# KiCad board B3_panel.kicad_pcb (continued)
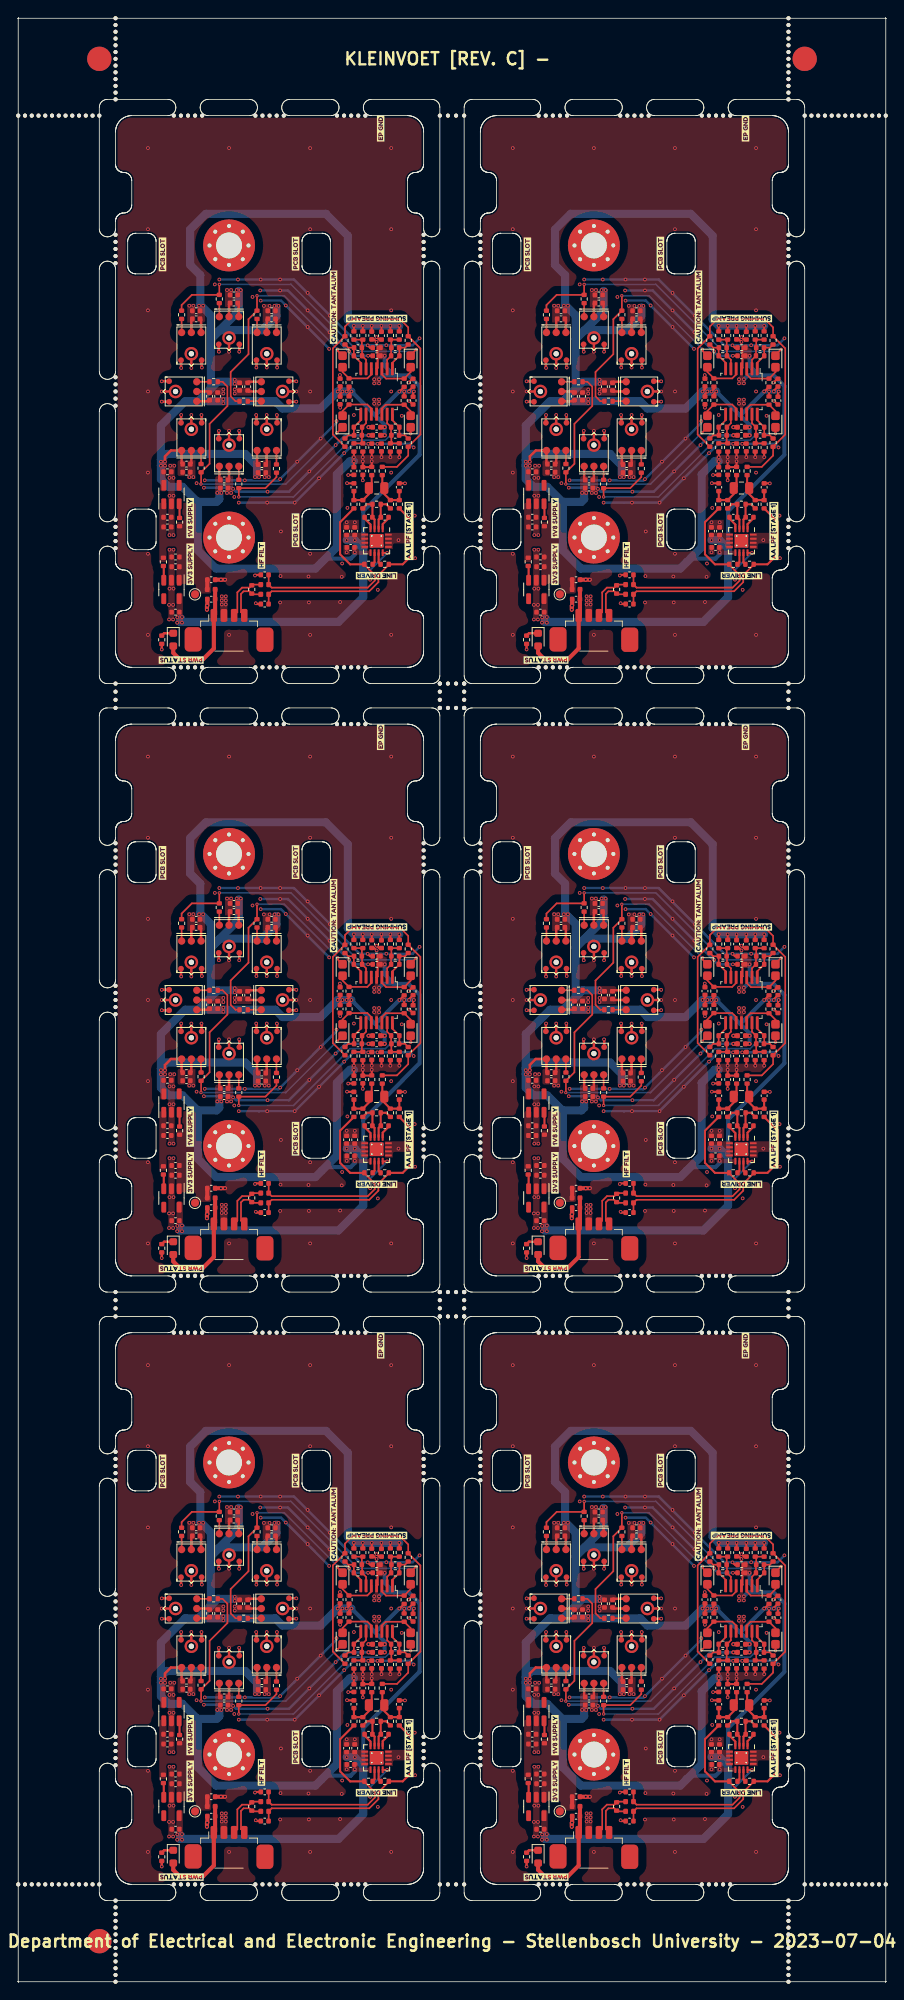
[diagram p0: board, top side]
## Placement (name value [footprint] x y rotation side) (continued)
J1101  Sensor_conn  [Connector_Amphenol_10114828-xxx04LF_Vertical]  26 164 0 top
J1101#2  Sensor_conn  [Connector_Amphenol_10114828-xxx04LF_Vertical]  26 89 0 top
J1101#3  Sensor_conn  [Connector_Amphenol_10114828-xxx04LF_Vertical]  26 14 0 top
J1101#4  Sensor_conn  [Connector_Amphenol_10114828-xxx04LF_Vertical]  71 14 0 top
J1101#5  Sensor_conn  [Connector_Amphenol_10114828-xxx04LF_Vertical]  71 164 0 top
J1101#6  Sensor_conn  [Connector_Amphenol_10114828-xxx04LF_Vertical]  71 89 0 top
kibuzzard-64588AF5  G***  [kibuzzard-64588AF5]  38.7 45.8 270 bottom
kibuzzard-64588AF5#2  G***  [kibuzzard-64588AF5]  83.7 195.8 270 bottom
kibuzzard-64588AF5#3  G***  [kibuzzard-64588AF5]  83.7 45.8 270 bottom
kibuzzard-64588AF5#4  G***  [kibuzzard-64588AF5]  38.7 120.8 270 bottom
kibuzzard-64588AF5#5  G***  [kibuzzard-64588AF5]  38.7 195.8 270 bottom
kibuzzard-64588AF5#6  G***  [kibuzzard-64588AF5]  83.7 120.8 270 bottom
kibuzzard-64588B83  G***  [kibuzzard-64588B83]  44.5 174.4 180 bottom
kibuzzard-64588B83#2  G***  [kibuzzard-64588B83]  89.5 142.6 180 bottom
kibuzzard-64588B83#3  G***  [kibuzzard-64588B83]  89.5 99.4 180 bottom
kibuzzard-64588B83#4  G***  [kibuzzard-64588B83]  44.5 217.6 180 bottom
kibuzzard-64588B83#5  G***  [kibuzzard-64588B83]  44.5 99.4 180 bottom
kibuzzard-64588B83#6  G***  [kibuzzard-64588B83]  89.5 24.4 180 bottom
kibuzzard-64588B83#7  G***  [kibuzzard-64588B83]  89.5 174.4 180 bottom
kibuzzard-64588B83#8  G***  [kibuzzard-64588B83]  89.5 217.6 180 bottom
kibuzzard-64588B83#9  G***  [kibuzzard-64588B83]  44.5 24.4 180 bottom
kibuzzard-64588B83#10  G***  [kibuzzard-64588B83]  44.5 142.6 180 bottom
kibuzzard-64588B83#11  G***  [kibuzzard-64588B83]  89.5 67.6 180 bottom
kibuzzard-64588B83#12  G***  [kibuzzard-64588B83]  44.5 67.6 180 bottom
kibuzzard-64588C0F  G***  [kibuzzard-64588C0F]  26 196 270 bottom
kibuzzard-64588C0F#2  G***  [kibuzzard-64588C0F]  71 121 270 bottom
kibuzzard-64588C0F#3  G***  [kibuzzard-64588C0F]  71 196 270 bottom
kibuzzard-64588C0F#4  G***  [kibuzzard-64588C0F]  26 121 270 bottom
kibuzzard-64588C0F#5  G***  [kibuzzard-64588C0F]  71 46 270 bottom
kibuzzard-64588C0F#6  G***  [kibuzzard-64588C0F]  26 46 270 bottom
kibuzzard-64588C44  G***  [kibuzzard-64588C44]  69.7 121 270 bottom
kibuzzard-64588C44#2  G***  [kibuzzard-64588C44]  24.7 121 270 bottom
kibuzzard-64588C44#3  G***  [kibuzzard-64588C44]  69.7 46 270 bottom
kibuzzard-64588C44#4  G***  [kibuzzard-64588C44]  24.7 196 270 bottom
kibuzzard-64588C44#5  G***  [kibuzzard-64588C44]  69.7 196 270 bottom
kibuzzard-64588C44#6  G***  [kibuzzard-64588C44]  24.7 46 270 bottom
kibuzzard-64588CA5  G***  [kibuzzard-64588CA5]  27.3 121 270 bottom
kibuzzard-64588CA5#2  G***  [kibuzzard-64588CA5]  27.3 46 270 bottom
kibuzzard-64588CA5#3  G***  [kibuzzard-64588CA5]  72.3 121 270 bottom
kibuzzard-64588CA5#4  G***  [kibuzzard-64588CA5]  27.3 196 270 bottom
kibuzzard-64588CA5#5  G***  [kibuzzard-64588CA5]  72.3 46 270 bottom
kibuzzard-64588CA5#6  G***  [kibuzzard-64588CA5]  72.3 196 270 bottom
kibuzzard-64588D6D  G***  [kibuzzard-64588D6D]  76.03 228.8 180 bottom
kibuzzard-64588D6D#2  G***  [kibuzzard-64588D6D]  76.03 153.8 180 bottom
kibuzzard-64588D6D#3  G***  [kibuzzard-64588D6D]  31.03 153.8 180 bottom
kibuzzard-64588D6D#4  G***  [kibuzzard-64588D6D]  76.03 78.8 180 bottom
kibuzzard-64588D6D#5  G***  [kibuzzard-64588D6D]  31.03 228.8 180 bottom
kibuzzard-64588D6D#6  G***  [kibuzzard-64588D6D]  31.03 78.8 180 bottom
kibuzzard-64588D28  G***  [kibuzzard-64588D28]  62.8 62.9 90 top
kibuzzard-64588D28#2  G***  [kibuzzard-64588D28]  79.2 103.9 90 top
kibuzzard-64588D28#3  G***  [kibuzzard-64588D28]  34.2 213 90 top
kibuzzard-64588D28#4  G***  [kibuzzard-64588D28]  17.8 62.9 90 top
kibuzzard-64588D28#5  G***  [kibuzzard-64588D28]  34.2 178.9 90 top
kibuzzard-64588D28#6  G***  [kibuzzard-64588D28]  79.2 28.9 90 top
kibuzzard-64588D28#7  G***  [kibuzzard-64588D28]  79.2 63 90 top
kibuzzard-64588D28#8  G***  [kibuzzard-64588D28]  34.2 103.9 90 top
kibuzzard-64588D28#9  G***  [kibuzzard-64588D28]  34.2 63 90 top
kibuzzard-64588D28#10  G***  [kibuzzard-64588D28]  34.2 28.9 90 top
kibuzzard-64588D28#11  G***  [kibuzzard-64588D28]  79.2 138 90 top
kibuzzard-64588D28#12  G***  [kibuzzard-64588D28]  79.2 178.9 90 top
kibuzzard-64588D28#13  G***  [kibuzzard-64588D28]  17.8 212.9 90 top
kibuzzard-64588D28#14  G***  [kibuzzard-64588D28]  62.8 137.9 90 top
kibuzzard-64588D28#15  G***  [kibuzzard-64588D28]  34.2 138 90 top
kibuzzard-64588D28#16  G***  [kibuzzard-64588D28]  62.8 212.9 90 top
kibuzzard-64588D28#17  G***  [kibuzzard-64588D28]  79.2 213 90 top
kibuzzard-64588D28#18  G***  [kibuzzard-64588D28]  17.8 137.9 90 top
kibuzzard-64588D84  G***  [kibuzzard-64588D84]  80.18 152 180 bottom
kibuzzard-64588D84#2  G***  [kibuzzard-64588D84]  35.18 227 180 bottom
kibuzzard-64588D84#3  G***  [kibuzzard-64588D84]  35.18 152 180 bottom
kibuzzard-64588D84#4  G***  [kibuzzard-64588D84]  80.18 77 180 bottom
kibuzzard-64588D84#5  G***  [kibuzzard-64588D84]  35.18 77 180 bottom
kibuzzard-64588D84#6  G***  [kibuzzard-64588D84]  80.18 227 180 bottom
kibuzzard-64588F88  G***  [kibuzzard-64588F88]  84.65 179.1 270 bottom
kibuzzard-64588F88#2  G***  [kibuzzard-64588F88]  84.7 213.1 270 bottom
kibuzzard-64588F88#3  G***  [kibuzzard-64588F88]  84.7 63.1 270 bottom
kibuzzard-64588F88#4  G***  [kibuzzard-64588F88]  39.65 179.1 270 bottom
kibuzzard-64588F88#5  G***  [kibuzzard-64588F88]  39.7 138.1 270 bottom
kibuzzard-64588F88#6  G***  [kibuzzard-64588F88]  84.65 104.1 270 bottom
kibuzzard-64588F88#7  G***  [kibuzzard-64588F88]  39.7 213.1 270 bottom
kibuzzard-64588F88#8  G***  [kibuzzard-64588F88]  84.65 29.1 270 bottom
kibuzzard-64588F88#9  G***  [kibuzzard-64588F88]  39.65 104.1 270 bottom
kibuzzard-64588F88#10  G***  [kibuzzard-64588F88]  39.7 63.1 270 bottom
kibuzzard-64588F88#11  G***  [kibuzzard-64588F88]  39.65 29.1 270 bottom
kibuzzard-64588F88#12  G***  [kibuzzard-64588F88]  84.7 138.1 270 bottom
kibuzzard-64588FFA  G***  [kibuzzard-64588FFA]  89.2 130 180 top
kibuzzard-64588FFA#2  G***  [kibuzzard-64588FFA]  44.2 205 180 top
kibuzzard-64588FFA#3  G***  [kibuzzard-64588FFA]  89.2 55 180 top
kibuzzard-64588FFA#4  G***  [kibuzzard-64588FFA]  44.2 130 180 top
kibuzzard-64588FFA#5  G***  [kibuzzard-64588FFA]  44.2 55 180 top
kibuzzard-64588FFA#6  G***  [kibuzzard-64588FFA]  89.2 205 180 top
kibuzzard-645890C3  G***  [kibuzzard-645890C3]  75 100.8 90 top
kibuzzard-645890C3#2  G***  [kibuzzard-645890C3]  30 100.8 90 top
kibuzzard-645890C3#3  G***  [kibuzzard-645890C3]  75 25.8 90 top
kibuzzard-645890C3#4  G***  [kibuzzard-645890C3]  30 175.8 90 top
kibuzzard-645890C3#5  G***  [kibuzzard-645890C3]  75 175.8 90 top
kibuzzard-645890C3#6  G***  [kibuzzard-645890C3]  30 25.8 90 top
kibuzzard-645890EE  G***  [kibuzzard-645890EE]  38.9 131.4 90 top
kibuzzard-645890EE#2  G***  [kibuzzard-645890EE]  83.9 56.4 90 top
kibuzzard-645890EE#3  G***  [kibuzzard-645890EE]  38.9 206.4 90 top
kibuzzard-645890EE#4  G***  [kibuzzard-645890EE]  83.9 131.4 90 top
kibuzzard-645890EE#5  G***  [kibuzzard-645890EE]  83.9 206.4 90 top
kibuzzard-645890EE#6  G***  [kibuzzard-645890EE]  38.9 56.4 90 top
kibuzzard-645892E6  G***  [kibuzzard-645892E6]  44.7 78.4 90 top
kibuzzard-645892E6#2  G***  [kibuzzard-645892E6]  44.7 153.4 90 top
kibuzzard-645892E6#3  G***  [kibuzzard-645892E6]  89.7 78.4 90 top
kibuzzard-645892E6#4  G***  [kibuzzard-645892E6]  44.7 228.4 90 top
kibuzzard-645892E6#5  G***  [kibuzzard-645892E6]  89.7 228.4 90 top
kibuzzard-645892E6#6  G***  [kibuzzard-645892E6]  89.7 153.4 90 top
kibuzzard-645892E6#7  G***  [kibuzzard-645892E6]  44.7 153.4 270 bottom
kibuzzard-645892E6#8  G***  [kibuzzard-645892E6]  44.7 78.4 270 bottom
kibuzzard-645892E6#9  G***  [kibuzzard-645892E6]  89.7 153.4 270 bottom
kibuzzard-645892E6#10  G***  [kibuzzard-645892E6]  89.7 228.4 270 bottom
kibuzzard-645892E6#11  G***  [kibuzzard-645892E6]  89.7 78.4 270 bottom
kibuzzard-645892E6#12  G***  [kibuzzard-645892E6]  44.7 228.4 270 bottom
kibuzzard-6458903B  G***  [kibuzzard-6458903B]  89.2 23.3 180 top
kibuzzard-6458903B#2  G***  [kibuzzard-6458903B]  89.2 173.3 180 top
kibuzzard-6458903B#3  G***  [kibuzzard-6458903B]  89.2 98.3 180 top
kibuzzard-6458903B#4  G***  [kibuzzard-6458903B]  44.2 173.3 180 top
kibuzzard-6458903B#5  G***  [kibuzzard-6458903B]  44.2 23.3 180 top
kibuzzard-6458903B#6  G***  [kibuzzard-6458903B]  44.2 98.3 180 top
kibuzzard-6458905C  G***  [kibuzzard-6458905C]  48.2 28.8 90 top
kibuzzard-6458905C#2  G***  [kibuzzard-6458905C]  48.2 103.8 90 top
kibuzzard-6458905C#3  G***  [kibuzzard-6458905C]  48.2 178.8 90 top
kibuzzard-6458905C#4  G***  [kibuzzard-6458905C]  93.2 103.8 90 top
kibuzzard-6458905C#5  G***  [kibuzzard-6458905C]  93.2 178.8 90 top
kibuzzard-6458905C#6  G***  [kibuzzard-6458905C]  93.2 28.8 90 top
kibuzzard-6458907D  G***  [kibuzzard-6458907D]  21.2 105.4 90 top
kibuzzard-6458907D#2  G***  [kibuzzard-6458907D]  21.2 180.4 90 top
kibuzzard-6458907D#3  G***  [kibuzzard-6458907D]  66.2 180.4 90 top
kibuzzard-6458907D#4  G***  [kibuzzard-6458907D]  21.2 30.4 90 top
kibuzzard-6458907D#5  G***  [kibuzzard-6458907D]  66.2 30.4 90 top
kibuzzard-6458907D#6  G***  [kibuzzard-6458907D]  66.2 105.4 90 top
kibuzzard-6458908B  G***  [kibuzzard-6458908B]  66.2 24.7 90 top
kibuzzard-6458908B#2  G***  [kibuzzard-6458908B]  21.2 174.7 90 top
kibuzzard-6458908B#3  G***  [kibuzzard-6458908B]  21.2 24.7 90 top
kibuzzard-6458908B#4  G***  [kibuzzard-6458908B]  66.2 99.7 90 top
kibuzzard-6458908B#5  G***  [kibuzzard-6458908B]  21.2 99.7 90 top
kibuzzard-6458908B#6  G***  [kibuzzard-6458908B]  66.2 174.7 90 top
kibuzzard-64589097  G***  [kibuzzard-64589097]  20.1 87.9 180 top
kibuzzard-64589097#2  G***  [kibuzzard-64589097]  20.1 162.9 180 top
kibuzzard-64589097#3  G***  [kibuzzard-64589097]  20.1 12.9 180 top
kibuzzard-64589097#4  G***  [kibuzzard-64589097]  65.1 162.9 180 top
kibuzzard-64589097#5  G***  [kibuzzard-64589097]  65.1 87.9 180 top
kibuzzard-64589097#6  G***  [kibuzzard-64589097]  65.1 12.9 180 top
MK1401  MIC_ICS_40300  [MEMS_Mic_ICS-40300]  26 189.4 90 top
MK1401#2  MIC_ICS_40300  [MEMS_Mic_ICS-40300]  71 114.4 90 top
MK1401#3  MIC_ICS_40300  [MEMS_Mic_ICS-40300]  71 189.4 90 top
MK1401#4  MIC_ICS_40300  [MEMS_Mic_ICS-40300]  26 39.4 90 top
MK1401#5  MIC_ICS_40300  [MEMS_Mic_ICS-40300]  26 114.4 90 top
MK1401#6  MIC_ICS_40300  [MEMS_Mic_ICS-40300]  71 39.4 90 top
MK1402  MIC_ICS_40300  [MEMS_Mic_ICS-40300]  26 202.6 270 top
MK1402#2  MIC_ICS_40300  [MEMS_Mic_ICS-40300]  26 52.6 270 top
MK1402#3  MIC_ICS_40300  [MEMS_Mic_ICS-40300]  71 202.6 270 top
MK1402#4  MIC_ICS_40300  [MEMS_Mic_ICS-40300]  26 127.6 270 top
MK1402#5  MIC_ICS_40300  [MEMS_Mic_ICS-40300]  71 52.6 270 top
MK1402#6  MIC_ICS_40300  [MEMS_Mic_ICS-40300]  71 127.6 270 top
MK1403  MIC_ICS_40300  [MEMS_Mic_ICS-40300]  77.6 121 0 top
MK1403#2  MIC_ICS_40300  [MEMS_Mic_ICS-40300]  32.6 196 0 top
MK1403#3  MIC_ICS_40300  [MEMS_Mic_ICS-40300]  77.6 46 0 top
MK1403#4  MIC_ICS_40300  [MEMS_Mic_ICS-40300]  77.6 196 0 top
MK1403#5  MIC_ICS_40300  [MEMS_Mic_ICS-40300]  32.6 121 0 top
MK1403#6  MIC_ICS_40300  [MEMS_Mic_ICS-40300]  32.6 46 0 top
MK1404  MIC_ICS_40300  [MEMS_Mic_ICS-40300]  19.4 46 180 top
MK1404#2  MIC_ICS_40300  [MEMS_Mic_ICS-40300]  19.4 196 180 top
MK1404#3  MIC_ICS_40300  [MEMS_Mic_ICS-40300]  64.4 121 180 top
MK1404#4  MIC_ICS_40300  [MEMS_Mic_ICS-40300]  19.4 121 180 top
MK1404#5  MIC_ICS_40300  [MEMS_Mic_ICS-40300]  64.4 46 180 top
MK1404#6  MIC_ICS_40300  [MEMS_Mic_ICS-40300]  64.4 196 180 top
MK1405  MIC_ICS_40300  [MEMS_Mic_ICS-40300]  30.65 41.35 90 top
MK1405#2  MIC_ICS_40300  [MEMS_Mic_ICS-40300]  30.65 116.35 90 top
MK1405#3  MIC_ICS_40300  [MEMS_Mic_ICS-40300]  75.65 191.35 90 top
MK1405#4  MIC_ICS_40300  [MEMS_Mic_ICS-40300]  30.65 191.35 90 top
MK1405#5  MIC_ICS_40300  [MEMS_Mic_ICS-40300]  75.65 116.35 90 top
MK1405#6  MIC_ICS_40300  [MEMS_Mic_ICS-40300]  75.65 41.35 90 top
MK1406  MIC_ICS_40300  [MEMS_Mic_ICS-40300]  66.35 200.65 270 top
MK1406#2  MIC_ICS_40300  [MEMS_Mic_ICS-40300]  66.35 50.65 270 top
MK1406#3  MIC_ICS_40300  [MEMS_Mic_ICS-40300]  21.35 50.65 270 top
MK1406#4  MIC_ICS_40300  [MEMS_Mic_ICS-40300]  66.35 125.65 270 top
MK1406#5  MIC_ICS_40300  [MEMS_Mic_ICS-40300]  21.35 125.65 270 top
MK1406#6  MIC_ICS_40300  [MEMS_Mic_ICS-40300]  21.35 200.65 270 top
MK1407  MIC_ICS_40300  [MEMS_Mic_ICS-40300]  66.35 41.35 90 top
MK1407#2  MIC_ICS_40300  [MEMS_Mic_ICS-40300]  66.35 116.35 90 top
MK1407#3  MIC_ICS_40300  [MEMS_Mic_ICS-40300]  66.35 191.35 90 top
MK1407#4  MIC_ICS_40300  [MEMS_Mic_ICS-40300]  21.35 116.35 90 top
MK1407#5  MIC_ICS_40300  [MEMS_Mic_ICS-40300]  21.35 191.35 90 top
MK1407#6  MIC_ICS_40300  [MEMS_Mic_ICS-40300]  21.35 41.35 90 top
MK1408  MIC_ICS_40300  [MEMS_Mic_ICS-40300]  75.65 50.65 270 top
MK1408#2  MIC_ICS_40300  [MEMS_Mic_ICS-40300]  30.65 200.65 270 top
MK1408#3  MIC_ICS_40300  [MEMS_Mic_ICS-40300]  75.65 200.65 270 top
MK1408#4  MIC_ICS_40300  [MEMS_Mic_ICS-40300]  75.65 125.65 270 top
MK1408#5  MIC_ICS_40300  [MEMS_Mic_ICS-40300]  30.65 125.65 270 top
MK1408#6  MIC_ICS_40300  [MEMS_Mic_ICS-40300]  30.65 50.65 270 top
R1001  100k  [R_0402_1005Metric]  19.9 179.9 90 top
R1001#2  100k  [R_0402_1005Metric]  19.9 29.9 90 top
R1001#3  100k  [R_0402_1005Metric]  64.9 179.9 90 top
R1001#4  100k  [R_0402_1005Metric]  19.9 104.9 90 top
R1001#5  100k  [R_0402_1005Metric]  64.9 29.9 90 top
R1001#6  100k  [R_0402_1005Metric]  64.9 104.9 90 top
R1002  2.2k  [R_0402_1005Metric]  17.7 90.4 270 top
R1002#2  2.2k  [R_0402_1005Metric]  17.7 165.4 270 top
R1002#3  2.2k  [R_0402_1005Metric]  62.7 15.4 270 top
R1002#4  2.2k  [R_0402_1005Metric]  62.7 90.4 270 top
R1002#5  2.2k  [R_0402_1005Metric]  17.7 15.4 270 top
R1002#6  2.2k  [R_0402_1005Metric]  62.7 165.4 270 top
R1003  100k  [R_0402_1005Metric]  17.9 100 270 top
R1003#2  100k  [R_0402_1005Metric]  62.9 100 270 top
R1003#3  100k  [R_0402_1005Metric]  62.9 25 270 top
R1003#4  100k  [R_0402_1005Metric]  17.9 175 270 top
R1003#5  100k  [R_0402_1005Metric]  17.9 25 270 top
R1003#6  100k  [R_0402_1005Metric]  62.9 175 270 top
R1101  PH/DNP  [R_0402_1005Metric]  73.8 21.6 270 top
R1101#2  PH/DNP  [R_0402_1005Metric]  28.8 171.6 270 top
R1101#3  PH/DNP  [R_0402_1005Metric]  73.8 96.6 270 top
R1101#4  PH/DNP  [R_0402_1005Metric]  73.8 171.6 270 top
R1101#5  PH/DNP  [R_0402_1005Metric]  28.8 21.6 270 top
R1101#6  PH/DNP  [R_0402_1005Metric]  28.8 96.6 270 top
R1514  1k  [R_0402_1005Metric]  46.5 50.4 0 top
R1514#2  1k  [R_0402_1005Metric]  91.5 200.4 0 top
R1514#3  1k  [R_0402_1005Metric]  46.5 200.4 0 top
R1514#4  1k  [R_0402_1005Metric]  91.5 125.4 0 top
R1514#5  1k  [R_0402_1005Metric]  46.5 125.4 0 top
R1514#6  1k  [R_0402_1005Metric]  91.5 50.4 0 top
R1601  270  [R_0402_1005Metric]  43.6 186.2 90 top
R1601#2  270  [R_0402_1005Metric]  88.6 111.2 90 top
R1601#3  270  [R_0402_1005Metric]  88.6 186.2 90 top
R1601#4  270  [R_0402_1005Metric]  43.6 36.2 90 top
R1601#5  270  [R_0402_1005Metric]  43.6 111.2 90 top
R1601#6  270  [R_0402_1005Metric]  88.6 36.2 90 top
R1602  270  [R_0402_1005Metric]  89.9 36.2 90 top
R1602#2  270  [R_0402_1005Metric]  44.9 111.2 90 top
R1602#3  270  [R_0402_1005Metric]  44.9 186.2 90 top
R1602#4  270  [R_0402_1005Metric]  44.9 36.2 90 top
R1602#5  270  [R_0402_1005Metric]  89.9 111.2 90 top
R1602#6  270  [R_0402_1005Metric]  89.9 186.2 90 top
R1603  330E  [R_0402_1005Metric]  87.5 32.1 90 top
R1603#2  330E  [R_0402_1005Metric]  87.5 107.1 90 top
R1603#3  330E  [R_0402_1005Metric]  42.5 32.1 90 top
R1603#4  330E  [R_0402_1005Metric]  87.5 182.1 90 top
R1603#5  330E  [R_0402_1005Metric]  42.5 182.1 90 top
R1603#6  330E  [R_0402_1005Metric]  42.5 107.1 90 top
R1604  330E  [R_0402_1005Metric]  45.9 107.1 90 top
R1604#2  330E  [R_0402_1005Metric]  45.9 182.1 90 top
R1604#3  330E  [R_0402_1005Metric]  90.9 182.1 90 top
R1604#4  330E  [R_0402_1005Metric]  45.9 32.1 90 top
R1604#5  330E  [R_0402_1005Metric]  90.9 107.1 90 top
R1604#6  330E  [R_0402_1005Metric]  90.9 32.1 90 top
R1605  1k  [R_0402_1005Metric]  86.4 32.1 90 top
R1605#2  1k  [R_0402_1005Metric]  41.4 182.1 90 top
R1605#3  1k  [R_0402_1005Metric]  41.4 107.1 90 top
R1605#4  1k  [R_0402_1005Metric]  86.4 107.1 90 top
R1605#5  1k  [R_0402_1005Metric]  86.4 182.1 90 top
R1605#6  1k  [R_0402_1005Metric]  41.4 32.1 90 top
R1606  1k  [R_0402_1005Metric]  92 107.1 90 top
R1606#2  1k  [R_0402_1005Metric]  92 182.1 90 top
R1606#3  1k  [R_0402_1005Metric]  47 107.1 90 top
R1606#4  1k  [R_0402_1005Metric]  92 32.1 90 top
R1606#5  1k  [R_0402_1005Metric]  47 182.1 90 top
R1606#6  1k  [R_0402_1005Metric]  47 32.1 90 top
R1607  14.7E  [R_0402_1005Metric]  88.2 174.7 0 top
R1607#2  14.7E  [R_0402_1005Metric]  88.2 24.7 0 top
R1607#3  14.7E  [R_0402_1005Metric]  43.2 99.7 0 top
R1607#4  14.7E  [R_0402_1005Metric]  88.2 99.7 0 top
R1607#5  14.7E  [R_0402_1005Metric]  43.2 24.7 0 top
R1607#6  14.7E  [R_0402_1005Metric]  43.2 174.7 0 top
R1608  14.7E  [R_0402_1005Metric]  45.2 174.7 180 top
R1608#2  14.7E  [R_0402_1005Metric]  45.2 24.7 180 top
R1608#3  14.7E  [R_0402_1005Metric]  45.2 99.7 180 top
R1608#4  14.7E  [R_0402_1005Metric]  90.2 24.7 180 top
R1608#5  14.7E  [R_0402_1005Metric]  90.2 99.7 180 top
R1608#6  14.7E  [R_0402_1005Metric]  90.2 174.7 180 top
R1609  1k  [R_0402_1005Metric]  69.1 47.2 0 top
R1609#2  1k  [R_0402_1005Metric]  24.1 47.2 0 top
R1609#3  1k  [R_0402_1005Metric]  69.1 122.2 0 top
R1609#4  1k  [R_0402_1005Metric]  69.1 197.2 0 top
R1609#5  1k  [R_0402_1005Metric]  24.1 122.2 0 top
R1609#6  1k  [R_0402_1005Metric]  24.1 197.2 0 top
R1610  1k  [R_0402_1005Metric]  72.8 44.8 180 top
R1610#2  1k  [R_0402_1005Metric]  72.8 194.8 180 top
R1610#3  1k  [R_0402_1005Metric]  27.8 194.8 180 top
R1610#4  1k  [R_0402_1005Metric]  27.8 44.8 180 top
R1610#5  1k  [R_0402_1005Metric]  72.8 119.8 180 top
R1610#6  1k  [R_0402_1005Metric]  27.8 119.8 180 top
R1611  1k  [R_0402_1005Metric]  24.8 57.4 90 top
R1611#2  1k  [R_0402_1005Metric]  69.8 132.4 90 top
R1611#3  1k  [R_0402_1005Metric]  24.8 207.4 90 top
R1611#4  1k  [R_0402_1005Metric]  24.8 132.4 90 top
R1611#5  1k  [R_0402_1005Metric]  69.8 57.4 90 top
R1611#6  1k  [R_0402_1005Metric]  69.8 207.4 90 top
R1612  1k  [R_0402_1005Metric]  27.2 184.6 270 top
R1612#2  1k  [R_0402_1005Metric]  72.2 184.6 270 top
R1612#3  1k  [R_0402_1005Metric]  27.2 109.6 270 top
R1612#4  1k  [R_0402_1005Metric]  72.2 109.6 270 top
R1612#5  1k  [R_0402_1005Metric]  27.2 34.6 270 top
R1612#6  1k  [R_0402_1005Metric]  72.2 34.6 270 top
R1613  1k  [R_0402_1005Metric]  76.85 36.5 270 top
R1613#2  1k  [R_0402_1005Metric]  31.85 36.5 270 top
R1613#3  1k  [R_0402_1005Metric]  31.85 186.5 270 top
R1613#4  1k  [R_0402_1005Metric]  76.85 111.5 270 top
R1613#5  1k  [R_0402_1005Metric]  31.85 111.5 270 top
R1613#6  1k  [R_0402_1005Metric]  76.85 186.5 270 top
R1614  1k  [R_0402_1005Metric]  20.15 205.45 90 top
R1614#2  1k  [R_0402_1005Metric]  65.15 130.45 90 top
R1614#3  1k  [R_0402_1005Metric]  20.15 55.45 90 top
R1614#4  1k  [R_0402_1005Metric]  65.15 205.45 90 top
R1614#5  1k  [R_0402_1005Metric]  65.15 55.45 90 top
R1614#6  1k  [R_0402_1005Metric]  20.15 130.45 90 top
R1615  1k  [R_0402_1005Metric]  67.55 111.55 270 top
R1615#2  1k  [R_0402_1005Metric]  22.55 36.55 270 top
R1615#3  1k  [R_0402_1005Metric]  67.55 36.55 270 top
R1615#4  1k  [R_0402_1005Metric]  22.55 111.55 270 top
R1615#5  1k  [R_0402_1005Metric]  22.55 186.55 270 top
R1615#6  1k  [R_0402_1005Metric]  67.55 186.55 270 top
R1616  1k  [R_0402_1005Metric]  74.45 130.45 90 top
R1616#2  1k  [R_0402_1005Metric]  74.45 55.45 90 top
R1616#3  1k  [R_0402_1005Metric]  29.45 205.45 90 top
R1616#4  1k  [R_0402_1005Metric]  29.45 55.45 90 top
R1616#5  1k  [R_0402_1005Metric]  29.45 130.45 90 top
R1616#6  1k  [R_0402_1005Metric]  74.45 205.45 90 top
R1617  330E  [R_0402_1005Metric]  90.9 52.9 90 top
R1617#2  330E  [R_0402_1005Metric]  45.9 52.9 90 top
R1617#3  330E  [R_0402_1005Metric]  45.9 127.9 90 top
R1617#4  330E  [R_0402_1005Metric]  90.9 202.9 90 top
R1617#5  330E  [R_0402_1005Metric]  45.9 202.9 90 top
R1617#6  330E  [R_0402_1005Metric]  90.9 127.9 90 top
R1618  330E  [R_0402_1005Metric]  47 202.9 90 top
R1618#2  330E  [R_0402_1005Metric]  47 52.9 90 top
R1618#3  330E  [R_0402_1005Metric]  47 127.9 90 top
R1618#4  330E  [R_0402_1005Metric]  92 127.9 90 top
R1618#5  330E  [R_0402_1005Metric]  92 52.9 90 top
R1618#6  330E  [R_0402_1005Metric]  92 202.9 90 top
R1619  330E  [R_0402_1005Metric]  87.5 127.9 90 top
R1619#2  330E  [R_0402_1005Metric]  42.5 127.9 90 top
R1619#3  330E  [R_0402_1005Metric]  87.5 52.9 90 top
R1619#4  330E  [R_0402_1005Metric]  42.5 52.9 90 top
R1619#5  330E  [R_0402_1005Metric]  87.5 202.9 90 top
R1619#6  330E  [R_0402_1005Metric]  42.5 202.9 90 top
R1620  330E  [R_0402_1005Metric]  41.4 52.9 90 top
R1620#2  330E  [R_0402_1005Metric]  41.4 127.9 90 top
R1620#3  330E  [R_0402_1005Metric]  86.4 127.9 90 top
R1620#4  330E  [R_0402_1005Metric]  86.4 52.9 90 top
R1620#5  330E  [R_0402_1005Metric]  41.4 202.9 90 top
R1620#6  330E  [R_0402_1005Metric]  86.4 202.9 90 top
R1621  10k  [R_0402_1005Metric]  47.6 197.08 90 top
R1621#2  10k  [R_0402_1005Metric]  47.6 47.08 90 top
R1621#3  10k  [R_0402_1005Metric]  92.6 47.08 90 top
R1621#4  10k  [R_0402_1005Metric]  47.6 122.08 90 top
R1621#5  10k  [R_0402_1005Metric]  92.6 122.08 90 top
R1621#6  10k  [R_0402_1005Metric]  92.6 197.08 90 top
R1622  10k  [R_0402_1005Metric]  85.8 47.1 90 top
R1622#2  10k  [R_0402_1005Metric]  40.8 122.1 90 top
R1622#3  10k  [R_0402_1005Metric]  40.8 197.1 90 top
R1622#4  10k  [R_0402_1005Metric]  40.8 47.1 90 top
R1622#5  10k  [R_0402_1005Metric]  85.8 197.1 90 top
R1622#6  10k  [R_0402_1005Metric]  85.8 122.1 90 top
R1623  14.7E  [R_0402_1005Metric]  48.1 52.3 270 top
R1623#2  14.7E  [R_0402_1005Metric]  48.1 202.3 270 top
R1623#3  14.7E  [R_0402_1005Metric]  93.1 202.3 270 top
R1623#4  14.7E  [R_0402_1005Metric]  93.1 127.3 270 top
R1623#5  14.7E  [R_0402_1005Metric]  48.1 127.3 270 top
R1623#6  14.7E  [R_0402_1005Metric]  93.1 52.3 270 top
R1624  1k  [R_0402_1005Metric]  41.9 125.4 180 top
R1624#2  1k  [R_0402_1005Metric]  86.9 125.4 180 top
R1624#3  1k  [R_0402_1005Metric]  86.9 50.4 180 top
R1624#4  1k  [R_0402_1005Metric]  86.9 200.4 180 top
R1624#5  1k  [R_0402_1005Metric]  41.9 200.4 180 top
R1624#6  1k  [R_0402_1005Metric]  41.9 50.4 180 top
R1625  14.7E  [R_0402_1005Metric]  40.3 127.3 270 top
R1625#2  14.7E  [R_0402_1005Metric]  40.3 52.3 270 top
R1625#3  14.7E  [R_0402_1005Metric]  85.3 202.3 270 top
R1625#4  14.7E  [R_0402_1005Metric]  85.3 127.3 270 top
R1625#5  14.7E  [R_0402_1005Metric]  85.3 52.3 270 top
R1625#6  14.7E  [R_0402_1005Metric]  40.3 202.3 270 top
R1626  330E  [R_0402_1005Metric]  90.9 189.1 270 top
R1626#2  330E  [R_0402_1005Metric]  45.9 189.1 270 top
R1626#3  330E  [R_0402_1005Metric]  45.9 39.1 270 top
R1626#4  330E  [R_0402_1005Metric]  90.9 114.1 270 top
R1626#5  330E  [R_0402_1005Metric]  45.9 114.1 270 top
R1626#6  330E  [R_0402_1005Metric]  90.9 39.1 270 top
R1627  330E  [R_0402_1005Metric]  47 114.1 270 top
R1627#2  330E  [R_0402_1005Metric]  92 189.1 270 top
R1627#3  330E  [R_0402_1005Metric]  92 114.1 270 top
R1627#4  330E  [R_0402_1005Metric]  47 39.1 270 top
R1627#5  330E  [R_0402_1005Metric]  47 189.1 270 top
R1627#6  330E  [R_0402_1005Metric]  92 39.1 270 top
R1628  10k  [R_0402_1005Metric]  92.6 44.88 270 top
R1628#2  10k  [R_0402_1005Metric]  92.6 194.88 270 top
R1628#3  10k  [R_0402_1005Metric]  47.6 119.88 270 top
R1628#4  10k  [R_0402_1005Metric]  47.6 194.88 270 top
R1628#5  10k  [R_0402_1005Metric]  92.6 119.88 270 top
R1628#6  10k  [R_0402_1005Metric]  47.6 44.88 270 top
R1629  1k  [R_0402_1005Metric]  46.5 116.6 0 top
R1629#2  1k  [R_0402_1005Metric]  91.5 116.6 0 top
R1629#3  1k  [R_0402_1005Metric]  91.5 191.6 0 top
R1629#4  1k  [R_0402_1005Metric]  46.5 191.6 0 top
R1629#5  1k  [R_0402_1005Metric]  91.5 41.6 0 top
R1629#6  1k  [R_0402_1005Metric]  46.5 41.6 0 top
R1630  14.7E  [R_0402_1005Metric]  93.1 189.7 90 top
R1630#2  14.7E  [R_0402_1005Metric]  93.1 114.7 90 top
R1630#3  14.7E  [R_0402_1005Metric]  48.1 39.7 90 top
R1630#4  14.7E  [R_0402_1005Metric]  93.1 39.7 90 top
R1630#5  14.7E  [R_0402_1005Metric]  48.1 189.7 90 top
R1630#6  14.7E  [R_0402_1005Metric]  48.1 114.7 90 top
R1631  330E  [R_0402_1005Metric]  87.5 114.1 270 top
R1631#2  330E  [R_0402_1005Metric]  42.5 39.1 270 top
R1631#3  330E  [R_0402_1005Metric]  42.5 189.1 270 top
R1631#4  330E  [R_0402_1005Metric]  87.5 189.1 270 top
R1631#5  330E  [R_0402_1005Metric]  42.5 114.1 270 top
R1631#6  330E  [R_0402_1005Metric]  87.5 39.1 270 top
R1632  330E  [R_0402_1005Metric]  41.4 189.1 270 top
R1632#2  330E  [R_0402_1005Metric]  86.4 189.1 270 top
R1632#3  330E  [R_0402_1005Metric]  86.4 114.1 270 top
R1632#4  330E  [R_0402_1005Metric]  41.4 39.1 270 top
R1632#5  330E  [R_0402_1005Metric]  41.4 114.1 270 top
R1632#6  330E  [R_0402_1005Metric]  86.4 39.1 270 top
R1633  10k  [R_0402_1005Metric]  85.8 119.9 270 top
R1633#2  10k  [R_0402_1005Metric]  85.8 44.9 270 top
R1633#3  10k  [R_0402_1005Metric]  40.8 119.9 270 top
R1633#4  10k  [R_0402_1005Metric]  40.8 194.9 270 top
R1633#5  10k  [R_0402_1005Metric]  85.8 194.9 270 top
R1633#6  10k  [R_0402_1005Metric]  40.8 44.9 270 top
R1634  1k  [R_0402_1005Metric]  41.9 41.6 180 top
R1634#2  1k  [R_0402_1005Metric]  41.9 116.6 180 top
R1634#3  1k  [R_0402_1005Metric]  41.9 191.6 180 top
R1634#4  1k  [R_0402_1005Metric]  86.9 41.6 180 top
R1634#5  1k  [R_0402_1005Metric]  86.9 116.6 180 top
R1634#6  1k  [R_0402_1005Metric]  86.9 191.6 180 top
R1635  14.7E  [R_0402_1005Metric]  40.3 39.7 90 top
R1635#2  14.7E  [R_0402_1005Metric]  40.3 189.7 90 top
R1635#3  14.7E  [R_0402_1005Metric]  85.3 39.7 90 top
R1635#4  14.7E  [R_0402_1005Metric]  85.3 189.7 90 top
R1635#5  14.7E  [R_0402_1005Metric]  85.3 114.7 90 top
R1635#6  14.7E  [R_0402_1005Metric]  40.3 114.7 90 top
REF**  -  [NPTH]  2.5 12 0 top
REF**#2  -  [NPTH]  64.19 12 0 top
REF**#3  -  [NPTH]  57 140.31 0 top
REF**#4  -  [NPTH]  50 64.44 0 top
REF**#5  -  [NPTH]  5 12 0 top
REF**#6  -  [NPTH]  65.94 162 0 top
REF**#7  -  [NPTH]  50 176.69 0 top
REF**#8  -  [NPTH]  31.88 87 0 top
REF**#9  -  [NPTH]  102 12 0 top
REF**#10  -  [NPTH]  12 195.12 0 top
REF**#11  -  [NPTH]  32.75 80 0 top
REF**#12  -  [NPTH]  12 236.17 0 top
REF**#13  -  [NPTH]  50 137.69 0 top
REF**#14  -  [NPTH]  12 45.12 0 top
REF**#15  -  [NPTH]  67.69 230 0 top
REF**#16  -  [NPTH]  50 63.56 0 top
REF**#17  -  [NPTH]  12 237.83 0 top
REF**#18  -  [NPTH]  95 7.5 0 top
REF**#19  -  [NPTH]  21.81 80 0 top
REF**#20  -  [NPTH]  57 47.75 0 top
REF**#21  -  [NPTH]  57 65.31 0 top
REF**#22  -  [NPTH]  57 28.44 0 top
REF**#23  -  [NPTH]  42.81 87 0 top
REF**#24  -  [NPTH]  95 237 0 top
REF**#25  -  [NPTH]  54 157 0 top
REF**#26  -  [NPTH]  40.19 155 0 top
REF**#27  -  [NPTH]  67.69 87 0 top
REF**#28  -  [NPTH]  12 4.17 0 top
REF**#29  -  [NPTH]  57 179.31 0 top
REF**#30  -  [NPTH]  95 212.69 0 top
REF**#31  -  [NPTH]  95 104.31 0 top
REF**#32  -  [NPTH]  77.75 80 0 top
REF**#33  -  [NPTH]  74.25 230 0 top
REF**#34  -  [NPTH]  12 29.31 0 top
REF**#35  -  [NPTH]  87.81 155 0 top
REF**#36  -  [NPTH]  95 213.56 0 top
REF**#37  -  [NPTH]  95 158 0 top
REF**#38  -  [NPTH]  40.19 162 0 top
REF**#39  -  [NPTH]  52 84 0 top
REF**#40  -  [NPTH]  85.19 12 0 top
REF**#41  -  [NPTH]  40.19 230 0 top
REF**#42  -  [NPTH]  67.69 155 0 top
REF**#43  -  [NPTH]  12 215.31 0 top
REF**#44  -  [NPTH]  64.19 162 0 top
REF**#45  -  [NPTH]  57 30.19 0 top
REF**#46  -  [NPTH]  97.83 12 0 top
REF**#47  -  [NPTH]  39.31 230 0 top
REF**#48  -  [NPTH]  55 85 0 top
REF**#49  -  [NPTH]  76.88 155 0 top
REF**#50  -  [NPTH]  95 62.69 0 top
REF**#51  -  [NPTH]  84.31 12 0 top
REF**#52  -  [NPTH]  52 160 0 top
REF**#53  -  [NPTH]  32.75 162 0 top
REF**#54  -  [NPTH]  2.5 230 0 top
REF**#55  -  [NPTH]  52 83 0 top
REF**#56  -  [NPTH]  12 28.44 0 top
REF**#57  -  [NPTH]  12 212.69 0 top
REF**#58  -  [NPTH]  22.69 12 0 top
REF**#59  -  [NPTH]  12 7.5 0 top
REF**#60  -  [NPTH]  76.88 230 0 top
REF**#61  -  [NPTH]  54 230 0 top
REF**#62  -  [NPTH]  95 140.31 0 top
REF**#63  -  [NPTH]  30.12 155 0 top
REF**#64  -  [NPTH]  52 85 0 top
REF**#65  -  [NPTH]  4.17 12 0 top
REF**#66  -  [NPTH]  57 177.56 0 top
REF**#67  -  [NPTH]  57 103.44 0 top
REF**#68  -  [NPTH]  65.94 12 0 top
REF**#69  -  [NPTH]  57 64.44 0 top
REF**#70  -  [NPTH]  20.94 12 0 top
REF**#71  -  [NPTH]  12 46.88 0 top
REF**#72  -  [NPTH]  55 230 0 top
REF**#73  -  [NPTH]  20.06 12 0 top
REF**#74  -  [NPTH]  57 197.75 0 top
REF**#75  -  [NPTH]  53 157 0 top
REF**#76  -  [NPTH]  66.81 155 0 top
REF**#77  -  [NPTH]  65.94 87 0 top
REF**#78  -  [NPTH]  3.33 230 0 top
